# KiCad board Full Keyboard.kicad_pcb
title: ScottoModules (STM32F072CBT6); date: 2024-07-13; rev: 2.0.0; company: ScottoKeebs; note: GND filled zone should be on In1.Cu and In2.Cu on a 4 layer board.; note: GND can be used on F.Cu and B.Cu on a 2 layer board but not encouraged.
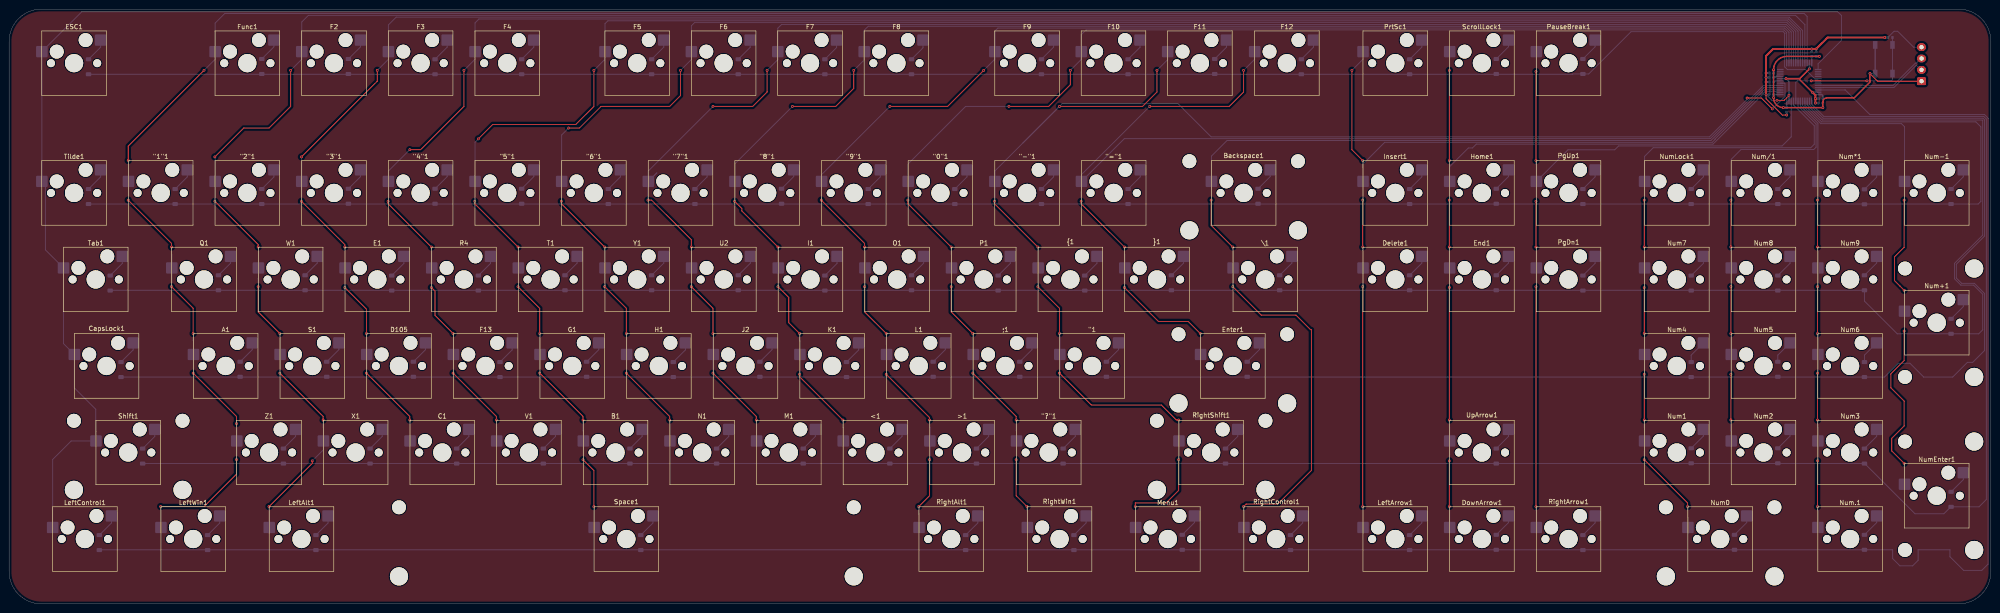
[diagram p0: board, top side]
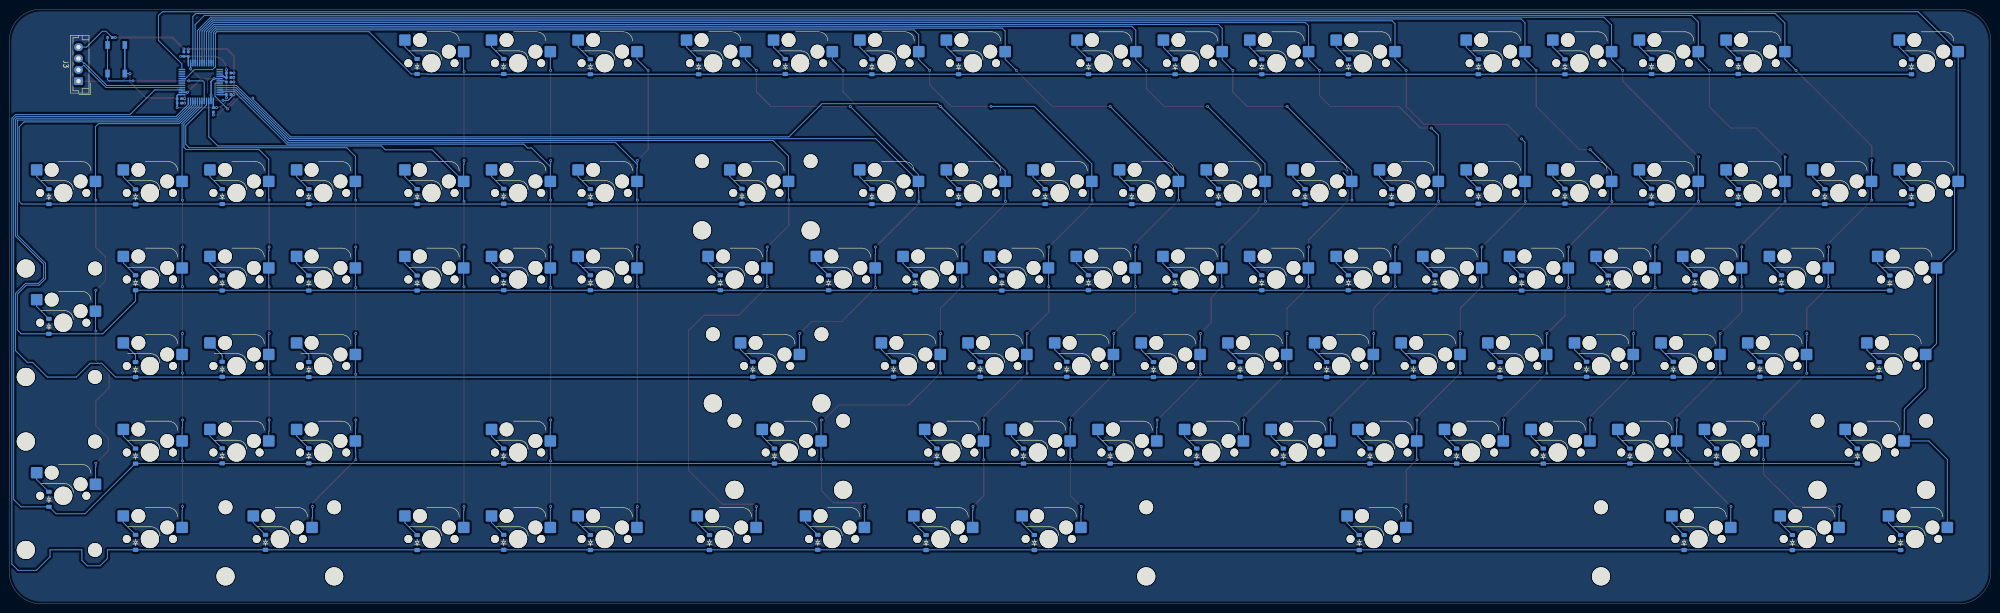
[diagram p1: board, bottom side, seen from below]

Outline 435.77 x 130.97 mm; copper layers: Top, In1.Cu, In2.Cu, Bottom. Coordinates in mm from the lower left corner of the outline.
Outline path: 0,123.83 0,7.14 arc(2.09,2.09) 7.14,0 428.62,0 arc(433.68,2.09) 435.77,7.14 435.77,123.83 arc(433.68,128.88) 428.62,130.97 7.14,130.97 arc(2.09,128.88) 0,123.83
Stack: Top 0.035mm / dielectric 0.1mm FR4 er 4.5 / In1.Cu 0.035mm / dielectric 1.24mm FR4 er 4.5 / In2.Cu 0.035mm / dielectric 0.1mm FR4 er 4.5 / Bottom 0.035mm

## Placement (name value [footprint] x y rotation side)
"0"1  Keyswitch  [Hotswap_MX_1.00u]  204.79 90.49 0 top
"1  Keyswitch  [Hotswap_MX_1.00u]  238.12 52.39 0 top
"1"1  Keyswitch  [Hotswap_MX_1.00u]  33.34 90.49 0 top
"2"1  Keyswitch  [Hotswap_MX_1.00u]  52.39 90.49 0 top
"3"1  Keyswitch  [Hotswap_MX_1.00u]  71.44 90.49 0 top
"4"1  Keyswitch  [Hotswap_MX_1.00u]  90.49 90.49 0 top
"5"1  Keyswitch  [Hotswap_MX_1.00u]  109.54 90.49 0 top
"6"1  Keyswitch  [Hotswap_MX_1.00u]  128.59 90.49 0 top
"7"1  Keyswitch  [Hotswap_MX_1.00u]  147.64 90.49 0 top
"8"1  Keyswitch  [Hotswap_MX_1.00u]  166.69 90.49 0 top
"9"1  Keyswitch  [Hotswap_MX_1.00u]  185.74 90.49 0 top
"-"1  Keyswitch  [Hotswap_MX_1.00u]  223.84 90.49 0 top
"="1  Keyswitch  [Hotswap_MX_1.00u]  242.89 90.49 0 top
"?"1  Keyswitch  [Hotswap_MX_1.00u]  228.6 33.34 0 top
;1  Keyswitch  [Hotswap_MX_1.00u]  219.07 52.39 0 top
<1  Keyswitch  [Hotswap_MX_1.00u]  190.5 33.34 0 top
>1  Keyswitch  [Hotswap_MX_1.00u]  209.55 33.34 0 top
\1  Keyswitch  [Hotswap_MX_1.50u]  276.23 71.44 0 top
A1  Keyswitch  [Hotswap_MX_1.00u]  47.62 52.39 0 top
B1  Keyswitch  [Hotswap_MX_1.00u]  133.35 33.34 0 top
Backspace1  Keyswitch  [Hotswap_MX_2.00u]  271.46 90.49 0 top
C1  Keyswitch  [Hotswap_MX_1.00u]  95.25 33.34 0 top
C7  100nF  [Capacitor_0402]  387.49 114.91 180 bottom
C10  100nF  [Capacitor_0402]  387.49 112.16 0 bottom
C11  100nF  [Capacitor_0402]  396.36 121.04 270 bottom
C12  4.7uF  [Capacitor_0402]  397.35 121.04 270 bottom
C13  100nF  [Capacitor_0402]  390.86 108.79 90 bottom
C14  10nF  [Capacitor_0402]  387.49 115.91 0 bottom
C15  1uF  [Capacitor_0402]  387.49 116.9 0 bottom
C16  100nF  [Capacitor_0402]  398.33 111.24 0 bottom
C17  4.7uF  [Capacitor_0402]  398.33 110.26 0 bottom
CapsLock1  Keyswitch  [Hotswap_MX_1.75u]  21.43 52.39 0 top
D1  Diode  [Diode_SOD-123]  17.46 118.27 90 bottom
D2  Diode  [Diode_SOD-123]  55.56 118.33 90 bottom
D3  Diode  [Diode_SOD-123]  74.61 118.33 90 bottom
D4  Diode  [Diode_SOD-123]  93.66 118.27 90 bottom
D5  Diode  [Diode_SOD-123]  112.71 118.27 90 bottom
D6  Diode  [Diode_SOD-123]  141.28 118.27 90 bottom
D7  Diode  [Diode_SOD-123]  160.33 118.27 90 bottom
D8  Diode  [Diode_SOD-123]  179.38 118.27 90 bottom
D9  Diode  [Diode_SOD-123]  198.43 118.27 90 bottom
D10  Diode  [Diode_SOD-123]  227 118.27 90 bottom
D11  Diode  [Diode_SOD-123]  246.05 118.27 90 bottom
D12  Diode  [Diode_SOD-123]  265.1 118.33 90 bottom
D13  Diode  [Diode_SOD-123]  307.96 118.27 90 bottom
D14  Diode  [Diode_SOD-123]  327 118.33 90 bottom
D15  Diode  [Diode_SOD-123]  346.05 118.33 90 bottom
D16  Diode  [Diode_SOD-123]  284.14 118.27 90 bottom
D17  Diode  [Diode_SOD-123]  17.46 89.7 90 bottom
D18  Diode  [Diode_SOD-123]  36.51 89.7 90 bottom
D19  Diode  [Diode_SOD-123]  55.56 89.7 90 bottom
D20  Diode  [Diode_SOD-123]  74.61 89.76 90 bottom
D21  Diode  [Diode_SOD-123]  93.66 89.76 90 bottom
D22  Diode  [Diode_SOD-123]  112.71 89.76 90 bottom
D23  Diode  [Diode_SOD-123]  131.75 89.7 90 bottom
D24  Diode  [Diode_SOD-123]  150.8 89.7 90 bottom
D25  Diode  [Diode_SOD-123]  169.85 89.76 90 bottom
D26  Diode  [Diode_SOD-123]  188.9 89.7 90 bottom
D27  Diode  [Diode_SOD-123]  207.95 89.7 90 bottom
D28  Diode  [Diode_SOD-123]  227 89.7 90 bottom
D29  Diode  [Diode_SOD-123]  246.05 89.7 90 bottom
D30  Diode  [Diode_SOD-123]  274.62 89.76 90 bottom
D31  Diode  [Diode_SOD-123]  307.96 89.7 90 bottom
D32  Diode  [Diode_SOD-123]  327 89.76 90 bottom
D33  Diode  [Diode_SOD-123]  346.05 89.7 90 bottom
D34  Diode  [Diode_SOD-123]  369.86 89.7 90 bottom
D35  Diode  [Diode_SOD-123]  388.91 89.7 90 bottom
D36  Diode  [Diode_SOD-123]  407.96 89.63 90 bottom
D37  Diode  [Diode_SOD-123]  427.01 89.7 90 bottom
D38  Diode  [Diode_SOD-123]  22.22 70.65 90 bottom
D39  Diode  [Diode_SOD-123]  46.03 70.71 90 bottom
D40  Diode  [Diode_SOD-123]  65.08 70.71 90 bottom
D41  Diode  [Diode_SOD-123]  84.13 70.65 90 bottom
D42  Diode  [Diode_SOD-123]  103.18 70.65 90 bottom
D43  Diode  [Diode_SOD-123]  122.23 70.71 90 bottom
D44  Diode  [Diode_SOD-123]  141.28 70.71 90 bottom
D45  Diode  [Diode_SOD-123]  160.33 70.71 90 bottom
D46  Diode  [Diode_SOD-123]  179.38 70.65 90 bottom
D47  Diode  [Diode_SOD-123]  198.43 70.71 90 bottom
D48  Diode  [Diode_SOD-123]  217.47 70.65 90 bottom
D49  Diode  [Diode_SOD-123]  236.52 70.65 90 bottom
D50  Diode  [Diode_SOD-123]  255.57 70.71 90 bottom
D51  Diode  [Diode_SOD-123]  279.38 70.71 90 bottom
D52  Diode  [Diode_SOD-123]  307.96 70.71 90 bottom
D53  Diode  [Diode_SOD-123]  327 70.71 90 bottom
D54  Diode  [Diode_SOD-123]  346.05 70.65 90 bottom
D55  Diode  [Diode_SOD-123]  369.86 70.65 90 bottom
D56  Diode  [Diode_SOD-123]  388.91 70.65 90 bottom
D57  Diode  [Diode_SOD-123]  407.96 70.71 90 bottom
D58  Diode  [Diode_SOD-123]  427.01 61.12 90 bottom
D59  Diode  [Diode_SOD-123]  24.6 51.6 90 bottom
D60  Diode  [Diode_SOD-123]  50.8 51.66 90 bottom
D61  Diode  [Diode_SOD-123]  69.85 51.66 90 bottom
D62  Diode  [Diode_SOD-123]  88.89 51.66 90 bottom
D63  Diode  [Diode_SOD-123]  107.94 51.6 90 bottom
D64  Diode  [Diode_SOD-123]  126.99 51.66 90 bottom
D65  Diode  [Diode_SOD-123]  146.04 51.6 90 bottom
D66  Diode  [Diode_SOD-123]  165.09 51.66 90 bottom
D67  Diode  [Diode_SOD-123]  184.14 51.6 90 bottom
D68  Diode  [Diode_SOD-123]  203.19 51.66 90 bottom
D69  Diode  [Diode_SOD-123]  222.24 51.66 90 bottom
D70  Diode  [Diode_SOD-123]  241.29 51.66 90 bottom
D71  Diode  [Diode_SOD-123]  272.24 51.66 90 bottom
D72  Diode  [Diode_SOD-123]  388.91 51.66 90 bottom
D73  Diode  [Diode_SOD-123]  407.96 51.6 90 bottom
D74  Diode  [Diode_SOD-123]  369.86 51.6 90 bottom
D75  Diode  [Diode_SOD-123]  29.37 32.55 90 bottom
D76  Diode  [Diode_SOD-123]  60.32 32.55 90 bottom
D77  Diode  [Diode_SOD-123]  79.37 32.55 90 bottom
D78  Diode  [Diode_SOD-123]  98.42 32.55 90 bottom
D79  Diode  [Diode_SOD-123]  117.47 32.55 90 bottom
D80  Diode  [Diode_SOD-123]  136.52 32.55 90 bottom
D81  Diode  [Diode_SOD-123]  155.57 32.55 90 bottom
D82  Diode  [Diode_SOD-123]  174.61 32.55 90 bottom
D83  Diode  [Diode_SOD-123]  193.66 32.55 90 bottom
D84  Diode  [Diode_SOD-123]  212.71 32.55 90 bottom
D85  Diode  [Diode_SOD-123]  231.76 32.55 90 bottom
D86  Diode  [Diode_SOD-123]  267.48 32.55 90 bottom
D87  Diode  [Diode_SOD-123]  327 32.55 90 bottom
D88  Diode  [Diode_SOD-123]  369.86 32.61 90 bottom
D89  Diode  [Diode_SOD-123]  388.91 32.61 90 bottom
D90  Diode  [Diode_SOD-123]  407.96 32.55 90 bottom
D91  Diode  [Diode_SOD-123]  427.01 23.03 90 bottom
D92  Diode  [Diode_SOD-123]  19.84 13.5 90 bottom
D93  Diode  [Diode_SOD-123]  43.65 13.5 90 bottom
D94  Diode  [Diode_SOD-123]  67.46 13.5 90 bottom
D95  Diode  [Diode_SOD-123]  138.9 13.5 90 bottom
D96  Diode  [Diode_SOD-123]  210.33 13.5 90 bottom
D97  Diode  [Diode_SOD-123]  234.14 13.5 90 bottom
D98  Diode  [Diode_SOD-123]  257.95 13.56 90 bottom
D99  Diode  [Diode_SOD-123]  281.76 13.5 90 bottom
D100  Diode  [Diode_SOD-123]  307.96 13.5 90 bottom
D101  Diode  [Diode_SOD-123]  327 13.56 90 bottom
D102  Diode  [Diode_SOD-123]  346.05 13.5 90 bottom
D103  Diode  [Diode_SOD-123]  379.39 13.56 90 bottom
D104  Diode  [Diode_SOD-123]  407.96 13.56 90 bottom
D105  Keyswitch  [Hotswap_MX_1.00u]  85.72 52.39 0 top
Delete1  Keyswitch  [Hotswap_MX_1.00u]  304.8 71.44 0 top
DownArrow1  Keyswitch  [Hotswap_MX_1.00u]  323.85 14.29 0 top
E1  Keyswitch  [Hotswap_MX_1.00u]  80.96 71.44 0 top
End1  Keyswitch  [Hotswap_MX_1.00u]  323.85 71.44 0 top
Enter1  Keyswitch  [Hotswap_MX_2.25u]  269.08 52.39 0 top
ESC1  Keyswitch  [Hotswap_MX_1.00u]  14.29 119.06 0 top
F2  Keyswitch  [Hotswap_MX_1.00u]  71.44 119.06 0 top
F3  Keyswitch  [Hotswap_MX_1.00u]  90.49 119.06 0 top
F4  Keyswitch  [Hotswap_MX_1.00u]  109.54 119.06 0 top
F5  Keyswitch  [Hotswap_MX_1.00u]  138.11 119.06 0 top
F6  Keyswitch  [Hotswap_MX_1.00u]  157.11 119.06 0 top
F7  Keyswitch  [Hotswap_MX_1.00u]  176.11 119.06 0 top
F8  Keyswitch  [Hotswap_MX_1.00u]  195.11 119.06 0 top
F9  Keyswitch  [Hotswap_MX_1.00u]  223.84 119.06 0 top
F10  Keyswitch  [Hotswap_MX_1.00u]  242.84 119.06 0 top
F11  Keyswitch  [Hotswap_MX_1.00u]  261.84 119.06 0 top
F12  Keyswitch  [Hotswap_MX_1.00u]  280.97 119.06 0 top
F13  Keyswitch  [Hotswap_MX_1.00u]  104.78 52.39 0 top
Func1  Keyswitch  [Hotswap_MX_1.00u]  52.39 119.06 0 top
G1  Keyswitch  [Hotswap_MX_1.00u]  123.82 52.39 0 top
H1  Keyswitch  [Hotswap_MX_1.00u]  142.88 52.39 0 top
Home1  Keyswitch  [Hotswap_MX_1.00u]  323.85 90.49 0 top
I1  Keyswitch  [Hotswap_MX_1.00u]  176.21 71.44 0 top
Insert1  Keyswitch  [Hotswap_MX_1.00u]  304.8 90.49 0 top
J2  Keyswitch  [Hotswap_MX_1.00u]  161.93 52.39 0 top
J3  Conn_01x04_Pin  [JST_EH_B4B-EH-A_1x04_P2.50mm_Vertical]  420.51 115.09 90 bottom
K1  Keyswitch  [Hotswap_MX_1.00u]  180.98 52.39 0 top
L1  Keyswitch  [Hotswap_MX_1.00u]  200.02 52.39 0 top
LeftAlt1  Keyswitch  [Hotswap_MX_1.25u]  64.29 14.29 0 top
LeftArrow1  Keyswitch  [Hotswap_MX_1.00u]  304.8 14.29 0 top
LeftControl1  Keyswitch  [Hotswap_MX_1.25u]  16.67 14.29 0 top
LeftWin1  Keyswitch  [Hotswap_MX_1.25u]  40.48 14.29 0 top
M1  Keyswitch  [Hotswap_MX_1.00u]  171.45 33.34 0 top
Menu1  Keyswitch  [Hotswap_MX_1.25u]  254.79 14.29 0 top
N1  Keyswitch  [Hotswap_MX_1.00u]  152.4 33.34 0 top
Num0  Keyswitch  [Hotswap_MX_2.00u]  376.24 14.29 0 top
Num1  Keyswitch  [Hotswap_MX_1.00u]  366.71 33.34 0 top
Num2  Keyswitch  [Hotswap_MX_1.00u]  385.76 33.34 0 top
Num3  Keyswitch  [Hotswap_MX_1.00u]  404.81 33.34 0 top
Num4  Keyswitch  [Hotswap_MX_1.00u]  366.71 52.39 0 top
Num5  Keyswitch  [Hotswap_MX_1.00u]  385.76 52.39 0 top
Num6  Keyswitch  [Hotswap_MX_1.00u]  404.81 52.39 0 top
Num7  Keyswitch  [Hotswap_MX_1.00u]  366.71 71.44 0 top
Num8  Keyswitch  [Hotswap_MX_1.00u]  385.76 71.44 0 top
Num9  Keyswitch  [Hotswap_MX_1.00u]  404.81 71.44 0 top
Num*1  Keyswitch  [Hotswap_MX_1.00u]  404.81 90.49 0 top
Num+1  Keyswitch  [Hotswap_MX_2.00u_90deg]  423.86 61.91 0 top
Num-1  Keyswitch  [Hotswap_MX_1.00u]  423.86 90.49 0 top
Num.1  Keyswitch  [Hotswap_MX_1.00u]  404.81 14.29 0 top
Num/1  Keyswitch  [Hotswap_MX_1.00u]  385.76 90.49 0 top
NumEnter1  Keyswitch  [Hotswap_MX_2.00u_90deg]  423.86 23.81 0 top
NumLock1  Keyswitch  [Hotswap_MX_1.00u]  366.71 90.49 0 top
O1  Keyswitch  [Hotswap_MX_1.00u]  195.26 71.44 0 top
P1  Keyswitch  [Hotswap_MX_1.00u]  214.31 71.44 0 top
PauseBreak1  Keyswitch  [Hotswap_MX_1.00u]  342.9 119.06 0 top
PgDn1  Keyswitch  [Hotswap_MX_1.00u]  342.9 71.44 0 top
PgUp1  Keyswitch  [Hotswap_MX_1.00u]  342.9 90.49 0 top
PrtSc1  Keyswitch  [Hotswap_MX_1.00u]  304.8 119.06 0 top
Q1  Keyswitch  [Hotswap_MX_1.00u]  42.86 71.44 0 top
R1  10k  [Resistor_0402]  413.61 124.71 0 bottom
R4  Keyswitch  [Hotswap_MX_1.00u]  100.01 71.44 0 top
REF**  -  [Stabilizer_MX_2.00u]  423.86 23.81 90 top
REF**#2  -  [Stabilizer_MX_2.00u]  271.46 90.49 0 top
REF**#3  -  [Stabilizer_MX_2.00u]  376.24 14.29 0 top
REF**#4  -  [Stabilizer_MX_2.00u]  423.86 61.91 90 top
REF**#5  -  [Stabilizer_MX_6.25u]  135.73 14.29 0 top
REF**#6  -  [Stabilizer_MX_2.00u]  269.08 52.39 0 top
REF**#7  -  [Stabilizer_MX_2.00u]  26.19 33.34 0 top
REF**#8  -  [Stabilizer_MX_2.00u]  264.32 33.34 0 top
RightAlt1  Keyswitch  [Hotswap_MX_1.25u]  207.17 14.29 0 top
RightArrow1  Keyswitch  [Hotswap_MX_1.00u]  342.9 14.29 0 top
RightControl1  Keyswitch  [Hotswap_MX_1.25u]  278.61 14.29 0 top
RightShift1  Keyswitch  [Hotswap_MX_2.75u]  264.32 33.34 0 top
RightWin1  Keyswitch  [Hotswap_MX_1.25u]  230.98 14.29 0 top
S1  Keyswitch  [Hotswap_MX_1.00u]  66.67 52.39 0 top
ScrollLock1  Keyswitch  [Hotswap_MX_1.00u]  323.85 119.06 0 top
Shift1  Keyswitch  [Hotswap_MX_2.25u]  26.19 33.34 0 top
Space1  Keyswitch  [Hotswap_MX_6.25u]  135.73 14.29 0 top
SW1  SW_Push  [Button_TL3342]  412.22 119.93 270 bottom
T1  Keyswitch  [Hotswap_MX_1.00u]  119.06 71.44 0 top
Tab1  Keyswitch  [Hotswap_MX_1.50u]  19.05 71.44 0 top
Tilde1  Keyswitch  [Hotswap_MX_1.00u]  14.29 90.49 0 top
U1  STM32F072CBT6  [Package_LQFP-48_7x7mm_P0.5]  393.61 114.91 0 bottom
U2  Keyswitch  [Hotswap_MX_1.00u]  157.16 71.44 0 top
UpArrow1  Keyswitch  [Hotswap_MX_1.00u]  323.85 33.34 0 top
V1  Keyswitch  [Hotswap_MX_1.00u]  114.3 33.34 0 top
W1  Keyswitch  [Hotswap_MX_1.00u]  61.91 71.44 0 top
X1  Keyswitch  [Hotswap_MX_1.00u]  76.2 33.34 0 top
Y1  Keyswitch  [Hotswap_MX_1.00u]  138.11 71.44 0 top
Z1  Keyswitch  [Hotswap_MX_1.00u]  57.15 33.34 0 top
{1  Keyswitch  [Hotswap_MX_1.00u]  233.36 71.44 0 top
}1  Keyswitch  [Hotswap_MX_1.00u]  252.41 71.44 0 top

## Library data of the parts
"0"1 "1 "1"1 "2"1 "3"1 "4"1 "5"1 "6"1 "7"1 "8"1 "9"1 "-"1 "="1 "?"1 ;1 <1 >1 \1 A1 B1 Backspace1 C1 CapsLock1 D105 Delete1 DownArrow1 E1 End1 Enter1 ESC1 F2-F13 Func1 G1 H1 Home1 I1 Insert1 J2 K1 L1 LeftAlt1 LeftArrow1 LeftControl1 LeftWin1 M1 Menu1 N1 Num0-Num9 Num*1 Num+1 Num-1 Num.1 Num/1 NumEnter1 NumLock1 O1 P1 PauseBreak1 PgDn1 PgUp1 PrtSc1 Q1 R4 RightAlt1 RightArrow1 RightControl1 RightShift1 RightWin1 S1 ScrollLock1 Shift1 Space1 T1 Tab1 Tilde1 U2 UpArrow1 V1 W1 X1 Y1 Z1 {1 }1 = -: Description: Push button switch, normally open, two pins, 45° tilted
C7 = -: Description: Unpolarized capacitor, small symbol; LCSC: C307331; ki_fp_filters: C_*
C10 C11 C13 C16 = -: Description: Unpolarized capacitor, small symbol; LCSC: C307331; MPN: CL05B104KB54PNC; ki_fp_filters: C_*
C12 C17 = -: Description: Unpolarized capacitor, small symbol; LCSC: C23733; MPN: CL05A475MP5NRNC; ki_fp_filters: C_*
C14 = -: Description: Unpolarized capacitor, small symbol; LCSC: C15195; MPN: CL05B103KB5NNNC; ki_fp_filters: C_*
C15 = -: Description: Unpolarized capacitor, small symbol; LCSC: C52923; MPN: CL05A105KA5NQNC; ki_fp_filters: C_*
D1-D104 = -: Description: 1N4148 (DO-35) or 1N4148W (SOD-123); Sim.Device: D; Sim.Pins: 1=K 2=A; ki_fp_filters: D*DO?35*
J3 = -: Description: Generic connector, single row, 01x04, script generated; ki_fp_filters: Connector*:*_1x??_*
R1 = -: Description: Resistor, small symbol; LCSC: C25744; ki_fp_filters: R_*
SW1 = -: Description: Push button switch, generic, two pins; LCSC: C115351
U1 = -: Datasheet: https://www.st.com/resource/en/datasheet/stm32f072cb.pdf; Description: STMicroelectronics Arm Cortex-M0 MCU, 128KB flash, 16KB RAM, 48 MHz, 2.0-3.6V, 37 GPIO, LQFP48; LCSC: C81720; JlcRotOffset: -90; ki_fp_filters: LQFP*7x7mm*P0.5mm*

## Footprints (pads in the part's own frame, mm; a bottom-side part is the same pattern mirrored in y, then rotated)
Button_TL3342
  rect 1.7x1 smd: 1(-3.15,1.9) 1(3.15,1.9) 2(-3.15,-1.9) 2(3.15,-1.9)
Capacitor_0402
  rrect 0.56x0.62 smd: 1(-0.48,0) 2(0.48,0)
Diode_SOD-123
  rrect 0.9x1.2 smd: 1(-1.65,0) 2(1.65,0)
Hotswap_MX_1.00u
  round 1.75 hole 1.75 unplated: (-5.08,0) (5.08,0)
  round 3.05 hole 3.05 unplated: (-3.81,2.54) (2.54,5.08)
  round 4 hole 4 unplated: (0,0)
  rrect 2.55x2.5 smd far side: 1(-7.085,2.54) 2(5.842,5.08)
Hotswap_MX_1.25u
  round 1.75 hole 1.75 unplated: (-5.08,0) (5.08,0)
  round 3.05 hole 3.05 unplated: (-3.81,2.54) (2.54,5.08)
  round 4 hole 4 unplated: (0,0)
  rrect 2.55x2.5 smd far side: 1(-7.085,2.54) 2(5.842,5.08)
Hotswap_MX_1.50u
  round 1.75 hole 1.75 unplated: (-5.08,0) (5.08,0)
  round 3.05 hole 3.05 unplated: (-3.81,2.54) (2.54,5.08)
  round 4 hole 4 unplated: (0,0)
  rrect 2.55x2.5 smd far side: 1(-7.085,2.54) 2(5.842,5.08)
Hotswap_MX_1.75u
  round 1.75 hole 1.75 unplated: (-5.08,0) (5.08,0)
  round 3.05 hole 3.05 unplated: (-3.81,2.54) (2.54,5.08)
  round 4 hole 4 unplated: (0,0)
  rrect 2.55x2.5 smd far side: 1(-7.085,2.54) 2(5.842,5.08)
Hotswap_MX_2.00u
  round 1.75 hole 1.75 unplated: (-5.08,0) (5.08,0)
  round 3.05 hole 3.05 unplated: (-3.81,2.54) (2.54,5.08)
  round 4 hole 4 unplated: (0,0)
  rrect 2.55x2.5 smd far side: 1(-7.085,2.54) 2(5.842,5.08)
Hotswap_MX_2.00u_90deg
  round 1.75 hole 1.75 unplated: (-5.08,0) (5.08,0)
  round 3.05 hole 3.05 unplated: (-3.81,2.54) (2.54,5.08)
  round 4 hole 4 unplated: (0,0)
  rrect 2.55x2.5 smd far side: 1(-7.085,2.54) 2(5.842,5.08)
Hotswap_MX_2.25u
  round 1.75 hole 1.75 unplated: (-5.08,0) (5.08,0)
  round 3.05 hole 3.05 unplated: (-3.81,2.54) (2.54,5.08)
  round 4 hole 4 unplated: (0,0)
  rrect 2.55x2.5 smd far side: 1(-7.085,2.54) 2(5.842,5.08)
Hotswap_MX_2.75u
  round 1.75 hole 1.75 unplated: (-5.08,0) (5.08,0)
  round 3.05 hole 3.05 unplated: (-3.81,2.54) (2.54,5.08)
  round 4 hole 4 unplated: (0,0)
  rrect 2.55x2.5 smd far side: 1(-7.085,2.54) 2(5.842,5.08)
Hotswap_MX_6.25u
  round 1.75 hole 1.75 unplated: (-5.08,0) (5.08,0)
  round 3.05 hole 3.05 unplated: (-3.81,2.54) (2.54,5.08)
  round 4 hole 4 unplated: (0,0)
  rrect 2.55x2.5 smd far side: 1(-7.085,2.54) 2(5.842,5.08)
JST_EH_B4B-EH-A_1x04_P2.50mm_Vertical
  rrect 1.7x1.95 hole 0.95: 1(0,0)
  oval 1.7x1.95 hole 0.95: 2(2.5,0) 3(5,0) 4(7.5,0)
Package_LQFP-48_7x7mm_P0.5
  rrect 1.475x0.3 smd: 1(-4.162,2.75) 2(-4.162,2.25) 3(-4.162,1.75) 4(-4.162,1.25) 5(-4.162,0.75) 6(-4.162,0.25) 7(-4.162,-0.25) 8(-4.162,-0.75) 9(-4.162,-1.25) 10(-4.162,-1.75) 11(-4.162,-2.25) 12(-4.162,-2.75) 25(4.162,-2.75) 26(4.162,-2.25) 27(4.162,-1.75) 28(4.162,-1.25) 29(4.162,-0.75) 30(4.162,-0.25) 31(4.162,0.25) 32(4.162,0.75) 33(4.162,1.25) 34(4.162,1.75) 35(4.162,2.25) 36(4.162,2.75)
  rrect 0.3x1.475 smd: 13(-2.75,-4.162) 14(-2.25,-4.162) 15(-1.75,-4.162) 16(-1.25,-4.162) 17(-0.75,-4.162) 18(-0.25,-4.162) 19(0.25,-4.162) 20(0.75,-4.162) 21(1.25,-4.162) 22(1.75,-4.162) 23(2.25,-4.162) 24(2.75,-4.162) 37(2.75,4.162) 38(2.25,4.162) 39(1.75,4.162) 40(1.25,4.162) 41(0.75,4.162) 42(0.25,4.162) 43(-0.25,4.162) 44(-0.75,4.162) 45(-1.25,4.162) 46(-1.75,4.162) 47(-2.25,4.162) 48(-2.75,4.162)
Resistor_0402
  rrect 0.54x0.64 smd: 1(-0.51,0) 2(0.51,0)
Stabilizer_MX_2.00u
  round 3.048 hole 3.048 unplated: (-11.938,6.985) (11.938,6.985)
  round 3.988 hole 3.988 unplated: (-11.938,-8.225) (11.938,-8.225)
Stabilizer_MX_6.25u
  round 3.048 hole 3.048 unplated: (-50,6.985) (50,6.985)
  round 3.988 hole 3.988 unplated: (-50,-8.225) (50,-8.225)

## Nets
+3.3V: C10.2 C11.2 C12.2 C13.2 C14.2 C15.2 C16.2 C17.2 J3.1 SW1.1 U1.1 U1.9 U1.24 U1.36 U1.48
GND: C7.2 C10.1 C11.1 C12.1 C13.1 C14.1 C15.1 C16.1 C17.1 J3.4 R1.1 U1.8 U1.23 U1.35 U1.47
/A0: U1.10
/A1: U1.11
/A2: U1.12
/A9: U1.30
/A10: U1.31
/B13: U1.26
/B14: U1.27
/B15: U1.28
/BOOT0: R1.2 SW1.2 U1.44
/NRST: C7.1 U1.7
Col0: CapsLock1.1 ESC1.1 LeftControl1.1 Shift1.1 Tab1.1 Tilde1.1 U1.25
Col1: "1"1.1 A1.1 Func1.1 LeftWin1.1 Q1.1 U1.22 Z1.1
Col2: "2"1.1 F2.1 LeftAlt1.1 S1.1 U1.21 W1.1 X1.1
Col3: "3"1.1 C1.1 D105.1 E1.1 F3.1 U1.20
Col4: "4"1.1 F4.1 F13.1 R4.1 U1.19 V1.1
Col5: "5"1.1 B1.1 F5.1 G1.1 Space1.1 T1.1 U1.18
Col6: "6"1.1 F6.1 H1.1 N1.1 U1.17 Y1.1
Col7: "7"1.1 F7.1 J2.1 M1.1 U1.16 U2.1
Col8: "8"1.1 <1.1 F8.1 I1.1 K1.1 U1.15
Col9: "9"1.1 >1.1 F9.1 L1.1 O1.1 RightAlt1.1 U1.14
Col10: "0"1.1 "?"1.1 ;1.1 F10.1 P1.1 RightWin1.1 U1.13
Col11: "1.1 "-"1.1 F11.1 Menu1.1 RightShift1.1 U1.6 {1.1
Col12: "="1.1 Enter1.1 F12.1 U1.5 }1.1
Col13: \1.1 Backspace1.1 RightControl1.1 U1.4
Col14: Delete1.1 Insert1.1 LeftArrow1.1 PrtSc1.1 U1.3
Col15: DownArrow1.1 End1.1 Home1.1 ScrollLock1.1 U1.2 UpArrow1.1
Col16: PauseBreak1.1 PgDn1.1 PgUp1.1 RightArrow1.1 U1.46
Col17: Num0.1 Num1.1 Num4.1 Num7.1 NumLock1.1 U1.45
Col18: Num2.1 Num5.1 Num8.1 Num/1.1 U1.43
Col19: Num3.1 Num6.1 Num9.1 Num*1.1 Num.1.1 U1.42
Col20: Num+1.1 Num-1.1 NumEnter1.1 U1.41
MCU_D+: J3.2 U1.33
MCU_D-: J3.3 U1.32
Row0: D1.1 D2.1 D3.1 D4.1 D5.1 D6.1 D7.1 D8.1 D9.1 D10.1 D11.1 D12.1 D13.1 D14.1 D15.1 D16.1 U1.29
Row1: D17.1 D18.1 D19.1 D20.1 D21.1 D22.1 D23.1 D24.1 D25.1 D26.1 D27.1 D28.1 D29.1 D30.1 D31.1 D32.1 D33.1 D34.1 D35.1 D36.1 D37.1 U1.40
Row2: D38.1 D39.1 D40.1 D41.1 D42.1 D43.1 D44.1 D45.1 D46.1 D47.1 D48.1 D49.1 D50.1 D51.1 D52.1 D53.1 D54.1 D55.1 D56.1 D57.1 D58.1 U1.39
Row3: D59.1 D60.1 D61.1 D62.1 D63.1 D64.1 D65.1 D66.1 D67.1 D68.1 D69.1 D70.1 D71.1 D72.1 D73.1 D74.1 U1.38
Row4: D75.1 D76.1 D77.1 D78.1 D79.1 D80.1 D81.1 D82.1 D83.1 D84.1 D85.1 D86.1 D87.1 D88.1 D89.1 D90.1 D91.1 U1.37
Row5: D92.1 D93.1 D94.1 D95.1 D96.1 D97.1 D98.1 D99.1 D100.1 D101.1 D102.1 D103.1 D104.1 U1.34
Net-(D1-A): D1.2 ESC1.2
Net-(D2-A): D2.2 Func1.2
Net-(D3-A): D3.2 F2.2
Net-(D4-A): D4.2 F3.2
Net-(D5-A): D5.2 F4.2
Net-(D6-A): D6.2 F5.2
Net-(D7-A): D7.2 F6.2
Net-(D8-A): D8.2 F7.2
Net-(D9-A): D9.2 F8.2
Net-(D10-A): D10.2 F9.2
Net-(D11-A): D11.2 F10.2
Net-(D12-A): D12.2 F11.2
Net-(D13-A): D13.2 PrtSc1.2
Net-(D14-A): D14.2 ScrollLock1.2
Net-(D15-A): D15.2 PauseBreak1.2
Net-(D16-A): D16.2 F12.2
Net-(D17-A): D17.2 Tilde1.2
Net-(D18-A): "1"1.2 D18.2
Net-(D19-A): "2"1.2 D19.2
Net-(D20-A): "3"1.2 D20.2
Net-(D21-A): "4"1.2 D21.2
Net-(D22-A): "5"1.2 D22.2
Net-(D23-A): "6"1.2 D23.2
Net-(D24-A): "7"1.2 D24.2
Net-(D25-A): "8"1.2 D25.2
Net-(D26-A): "9"1.2 D26.2
Net-(D27-A): "0"1.2 D27.2